# Altium PCB MU_MP_39_V1.PcbDoc (part 10 of 15)
Units mm, origin at the board's own origin, x right, y up, seen from the top; angles counter-clockwise.
Board outline 133 x 94 mm, 8 copper layers (Top Layer, GND_1, POWER_1, POWER_2, GND_2, Inner_Layer, GND_3, Bottom Layer), stack 1.468 mm thick; 934 components, 729 nets, 4006 pads, 2645 vias.
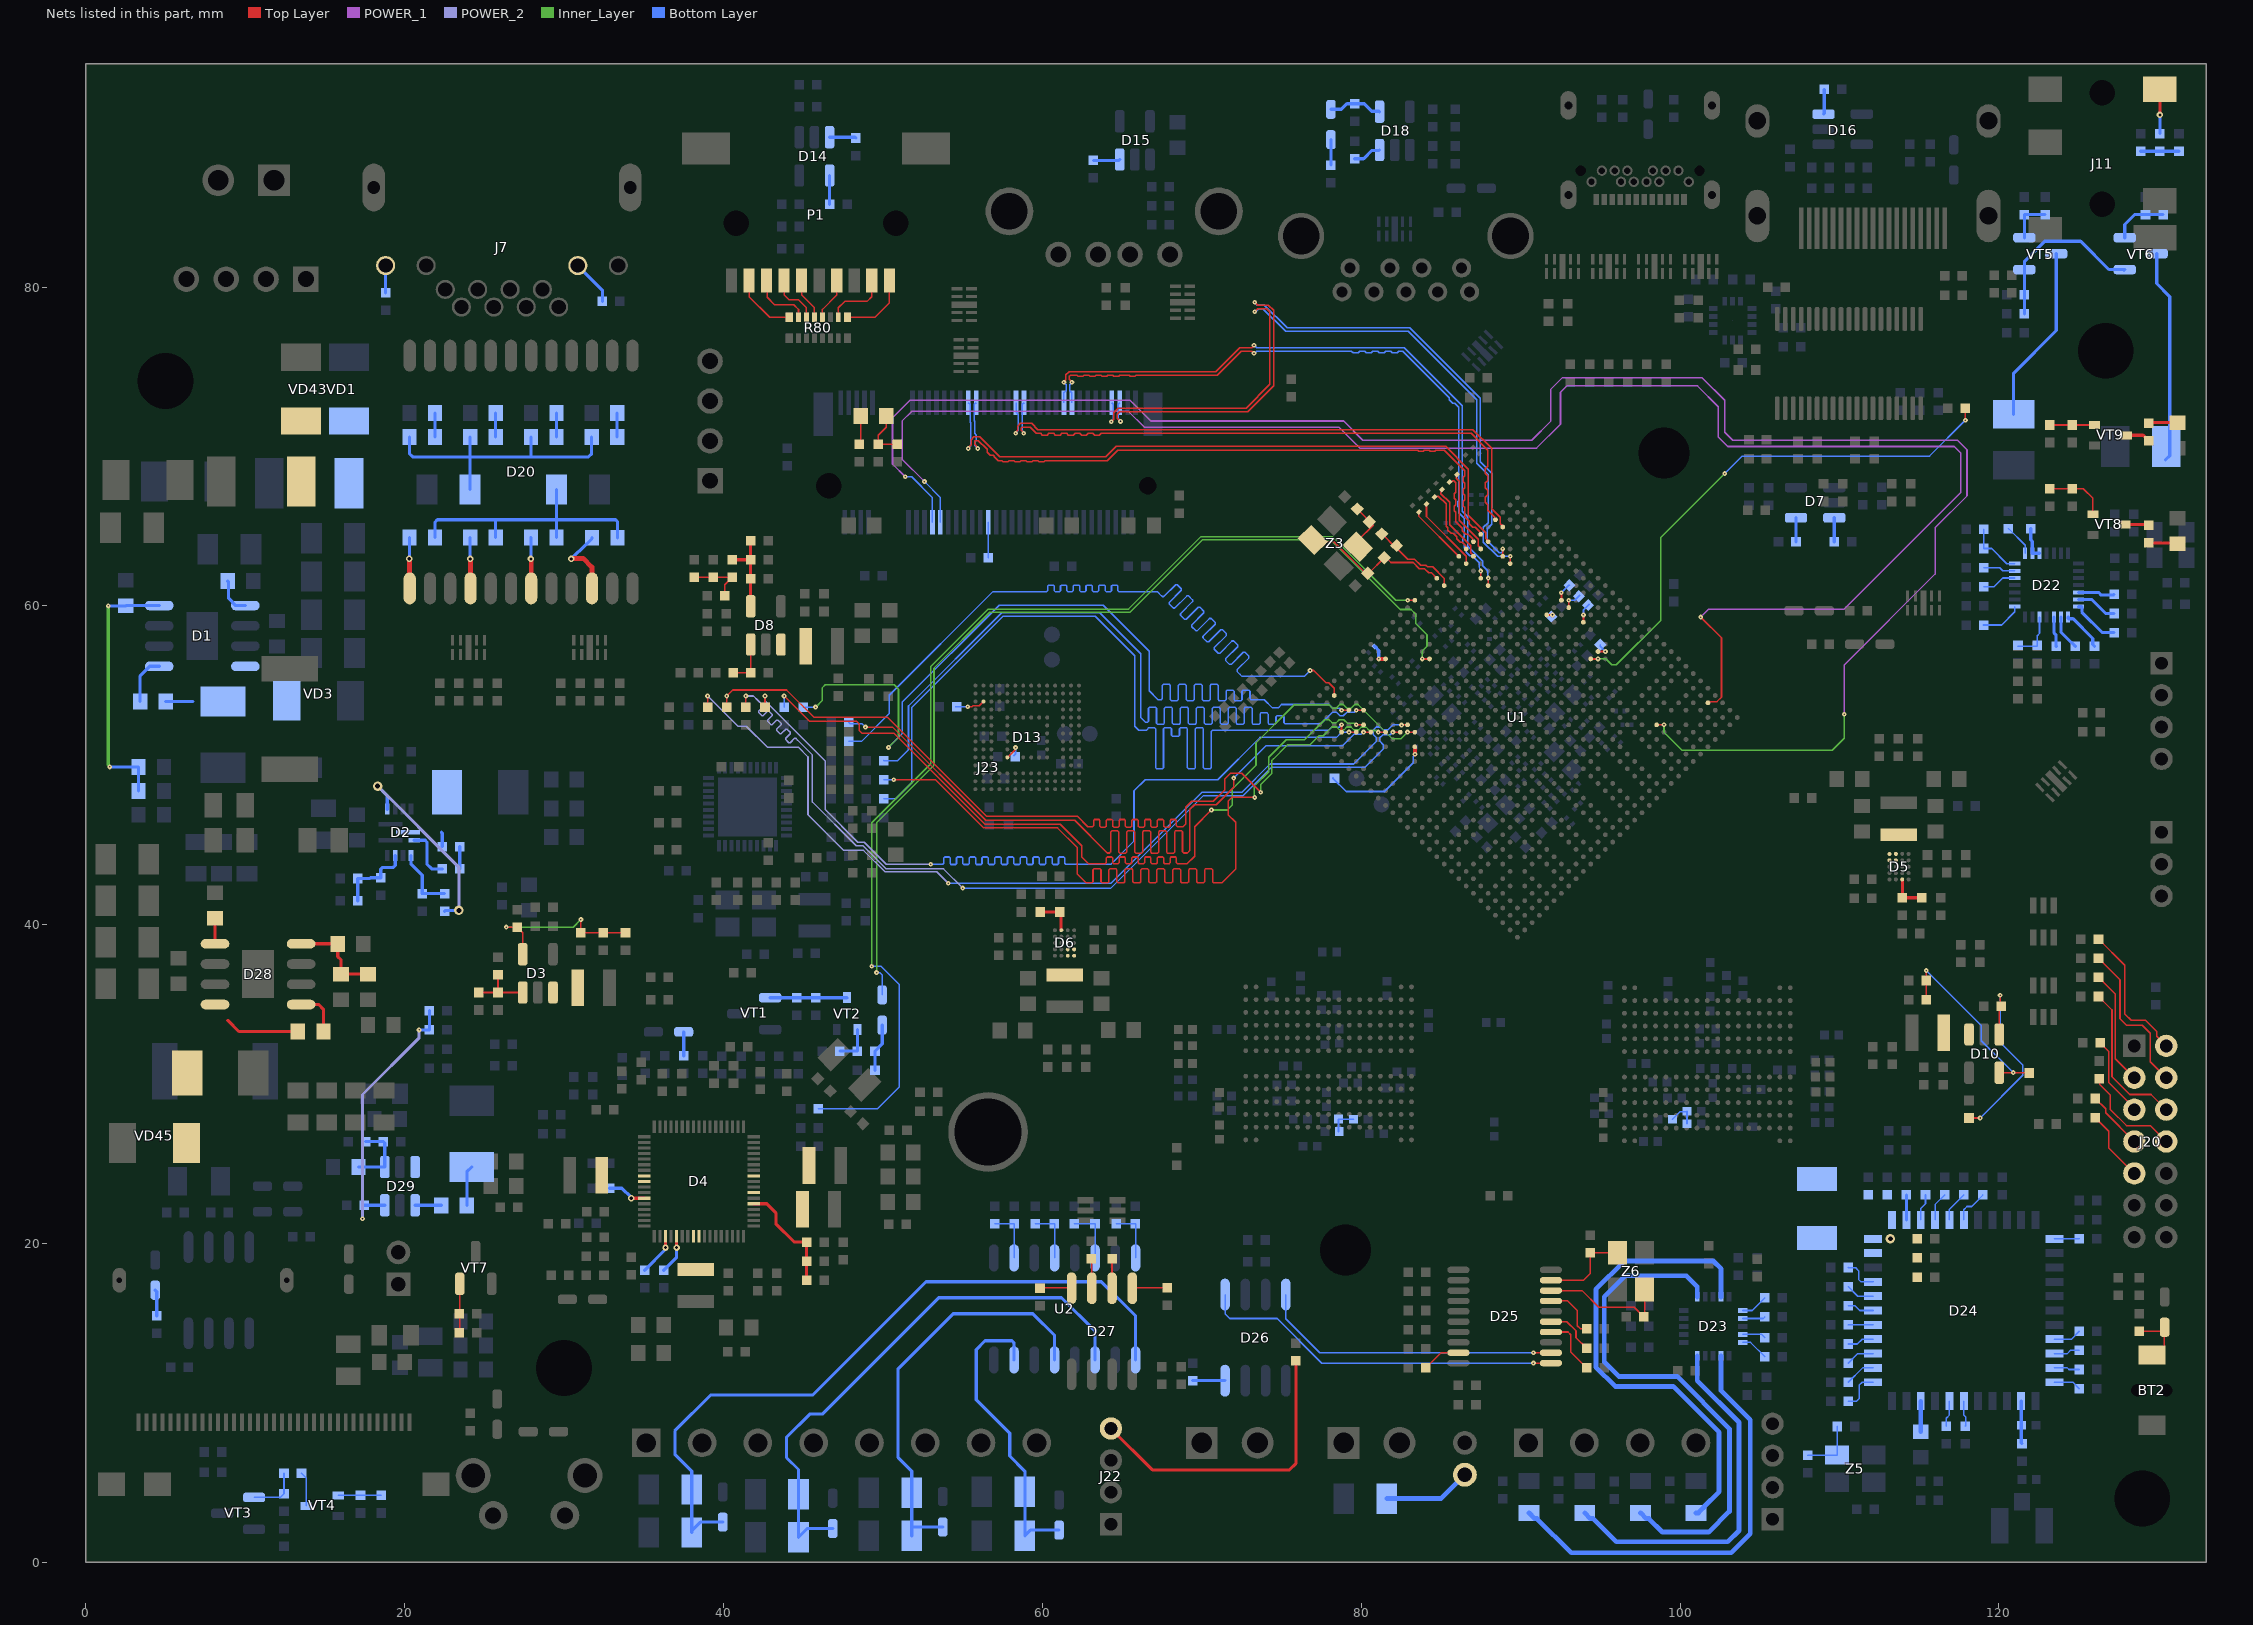
[diagram p16: the nets of this part, all layers, seen from the top]

## Via types
v1: diameter 0.3, hole 0.1, Top Layer to Bottom Layer, tented both sides, 1670 vias
v2: diameter 0.4, hole 0.2, Top Layer to Bottom Layer, tented both sides, 843 vias
v3: diameter 0.6, hole 0.3, Top Layer to Bottom Layer, tented both sides, 132 vias

## Nets (pads, with @x,y where several pads share a name; then routed paths per layer and width w, separated by ;. In a path a pad name is that pad's centre, name@x,y a point inside that pad or via, vN(x,y) a via of type N, cw(c..) or ccw(c..) an arc to the next point about the centre after c; other vN are vias at no path point) (continued)
MAC_RXD0: R126.2 U1.E26 | length 55.1
  Top Layer w0.1: v1(50.675,49.1) 53.3,49.1 56.325,46.075 60.95,46.075 62.2,44.825 62.2,43.175 62.75,42.625 63.05,42.625 63.1,42.625 63.175,42.7 63.175,43.431 63.25,43.506 63.6,43.506 63.675,43.431 63.675,42.697 63.75,42.622 64.1,42.622 64.175,42.697 64.175,43.431 64.25,43.506 64.6,43.506 64.675,43.431 64.675,42.697 64.75,42.622 65.1,42.622 65.175,42.697 65.175,43.431 65.25,43.506 65.6,43.506 65.675,43.431 65.675,42.697 65.75,42.622 66.1,42.622 66.175,42.697 66.175,43.431 66.25,43.506 66.6,43.506 66.675,43.431 66.675,42.697 66.75,42.622 67.1,42.622 67.175,42.697 67.175,43.431 67.25,43.506 67.6,43.506 67.675,43.431 67.675,42.697 67.75,42.622 68.1,42.622 68.175,42.697 68.175,43.431 68.25,43.506 68.6,43.506 68.675,43.431 68.675,42.697 68.75,42.622 69.1,42.622 69.175,42.697 69.175,43.431 69.25,43.506 69.6,43.506 69.675,43.431 69.675,42.697 69.75,42.622 70.1,42.622 70.175,42.697 70.175,43.431 70.25,43.506 70.6,43.506 70.675,43.431 70.675,42.7 70.75,42.625 71.15,42.625 71.25,42.625 72.125,43.5 72.125,46.425 71.65,46.9 71.65,47.75 71.9,48 73.303,48 v1(73.315,47.988)
  Top Layer w0.11: v1(79.69,52.543) 79.693,52.54 U1.E26@80.148,52.54
  Inner_Layer w0.1: v1(73.315,47.988) 73.3,48.003 73.3,48.7 74.2,49.6 74.2,50.5 75.3,51.6 76.446,51.6 77.709,52.863 77.986,52.863 78.169,52.68 78.446,52.68 78.628,52.863 78.905,52.863 79.136,52.632 79.601,52.632 v1(79.69,52.543)
  Bottom Layer w0.1: R126.2@50.05,49.1 v1(50.675,49.1)
MAC_RXD1: R127.2 U1.F27 | length 57
  Top Layer w0.1: v1(79.694,53.461) 79.695,53.46 U1.F27@80.148,53.46
  Bottom Layer w0.1: R127.2@50.05,50.3 50.075,50.275 50.9,50.275 51.6,50.975 51.6,53.725 57.45,59.575 63.6,59.575 66.175,57 66.175,53 66.425,52.75 66.475,52.7 66.581,52.7 66.656,52.775 66.656,53.565 66.731,53.64 67.081,53.64 67.156,53.565 67.156,52.654 67.231,52.579 67.581,52.579 67.656,52.654 67.656,53.565 67.731,53.64 68.081,53.64 68.156,53.565 68.156,52.654 68.231,52.579 68.581,52.579 68.656,52.654 68.656,53.565 68.731,53.64 69.081,53.64 69.156,53.565 69.156,52.654 69.231,52.579 69.581,52.579 69.656,52.654 69.656,53.565 69.731,53.64 70.081,53.64 70.156,53.565 70.156,52.654 70.231,52.579 70.581,52.579 70.656,52.654 70.656,53.565 70.731,53.64 71.081,53.64 71.156,53.565 71.156,52.654 71.231,52.579 71.581,52.579 71.656,52.654 71.656,53.565 71.731,53.64 72.081,53.64 72.156,53.565 72.156,52.654 72.231,52.579 72.581,52.579 72.656,52.654 72.656,53.565 72.731,53.64 73.081,53.64 73.156,53.565 73.156,52.654 73.231,52.579 73.581,52.579 73.656,52.654 73.656,53.214 73.731,53.289 74.081,53.289 74.156,53.214 74.156,52.654 74.231,52.579 74.581,52.579 74.656,52.654 74.656,53.045 74.731,53.12 75.081,53.12 75.156,53.045 75.156,52.675 75.231,52.6 75.414,52.6 77.462,52.6 78.192,53.33 78.446,53.33 78.675,53.102 78.878,53.102 79.107,53.33 79.563,53.33 v1(79.694,53.461)
MAC_RXD2: R122.2 U1.E30 | length 58.2
  Top Layer w0.1: v1(76.795,55.946) 77.026,55.946 77.789,55.183 77.962,55.183 78.309,54.836 U1.E30@78.31,54.379
  Bottom Layer w0.1: R122.2@47.85,51.5 48.65,51.5 50.4,53.25 50.4,54.4 56.9,60.9 60.225,60.9 60.275,60.9 60.335,60.96 60.335,61.248 60.395,61.308 60.675,61.308 60.735,61.248 60.735,60.96 60.795,60.9 61.075,60.9 61.135,60.96 61.135,61.248 61.195,61.308 61.475,61.308 61.535,61.248 61.535,60.96 61.595,60.9 61.875,60.9 61.935,60.96 61.935,61.248 61.995,61.308 62.275,61.308 62.335,61.248 62.335,60.96 62.395,60.9 62.675,60.9 62.735,60.96 62.735,61.248 62.795,61.308 63.075,61.308 63.135,61.248 63.135,60.96 63.195,60.9 63.475,60.9 63.535,60.96 63.535,61.248 63.595,61.308 63.875,61.308 63.935,61.248 63.935,60.96 63.995,60.9 64.275,60.9 64.335,60.96 64.335,61.248 64.395,61.308 64.675,61.308 64.735,61.248 64.735,60.96 64.795,60.9 64.95,60.9 67.2,60.9 67.476,60.624 67.512,60.588 67.618,60.588 68.361,61.332 68.467,61.332 68.715,61.085 68.715,60.979 67.957,60.221 67.957,60.114 68.204,59.867 68.31,59.867 69.068,60.625 69.174,60.625 69.422,60.378 69.422,60.271 68.664,59.513 68.664,59.407 68.911,59.16 69.017,59.16 69.775,59.918 69.882,59.918 70.129,59.67 70.129,59.564 69.371,58.806 69.371,58.7 69.619,58.453 69.725,58.453 70.483,59.211 70.589,59.211 70.836,58.963 70.836,58.857 70.078,58.099 70.078,57.993 70.326,57.746 70.432,57.746 71.19,58.504 71.296,58.504 71.543,58.256 71.543,58.15 70.785,57.392 70.785,57.286 71.033,57.039 71.139,57.039 71.897,57.797 72.003,57.797 72.25,57.549 72.25,57.443 71.492,56.685 71.492,56.579 71.74,56.331 71.846,56.331 72.604,57.089 72.71,57.089 72.957,56.842 72.957,56.736 72.214,55.992 72.214,55.886 72.401,55.699 72.525,55.575 76.424,55.575 v1(76.795,55.946)
MAC_RXD3: R123.2 U1.E25 | length 54.3
  Top Layer w0.1: v1(48.9,52.4) 50.6,52.4 56.45,46.55 62.025,46.55 64.075,44.5 64.167,44.5 64.217,44.5 64.292,44.575 64.292,45.818 64.367,45.893 64.717,45.893 64.792,45.818 64.792,44.557 64.867,44.482 65.217,44.482 65.292,44.557 65.292,45.818 65.367,45.893 65.717,45.893 65.792,45.818 65.792,44.557 65.867,44.482 66.217,44.482 66.292,44.557 66.292,45.818 66.367,45.893 66.717,45.893 66.792,45.818 66.792,44.557 66.867,44.482 67.217,44.482 67.292,44.557 67.292,45.818 67.367,45.893 67.717,45.893 67.792,45.818 67.792,44.557 67.867,44.482 68.217,44.482 68.292,44.557 68.292,45.818 68.367,45.893 68.717,45.893 68.792,45.818 68.792,44.575 68.867,44.5 69.015,44.5 69.1,44.5 69.25,44.65 69.25,47.225 69.55,47.525 70.9,47.525 72,48.625 v1(72,49.2)
  Top Layer w0.11: v1(80.151,52.082) 80.153,52.081 U1.E25@80.608,52.081
  Bottom Layer w0.1: R123.2@47.85,52.7 47.941,52.609 48.691,52.609 v1(48.9,52.4) ; v1(72,49.2) 74.037,51.237 78.84,51.237 79.554,51.95 79.992,51.95 80.124,52.082 v1(80.151,52.082)
MAC_RXDV: R129.2 U1.C27 | length 58.1
  Top Layer w0.11: U1.C27@78.769,52.081 78.769,52.538 v1(78.772,52.542)
  Bottom Layer w0.1: R129.2@50.05,47.9 50.8,47.9 51.8,48.9 51.8,53.625 57.525,59.35 63.325,59.35 65.8,56.875 65.8,52.45 66.05,52.2 66.475,52.2 66.525,52.2 66.6,52.275 66.6,52.283 66.675,52.358 67.025,52.358 67.1,52.283 67.1,49.856 67.175,49.781 67.525,49.781 67.6,49.856 67.6,52.283 67.675,52.358 68.025,52.358 68.1,52.283 68.1,51.9 68.175,51.825 68.525,51.825 68.6,51.9 68.6,52.283 68.675,52.358 69.025,52.358 69.1,52.283 69.1,49.856 69.175,49.781 69.525,49.781 69.6,49.856 69.6,52.283 69.675,52.358 70.025,52.358 70.1,52.283 70.1,49.856 70.175,49.781 70.525,49.781 70.6,49.856 70.6,52.125 70.675,52.2 70.866,52.2 77.943,52.2 78.13,52.387 78.618,52.387 v1(78.772,52.542)
MAC_TXCLK: R141.2 U1.E28 | length 58.8
  Top Layer w0.1: v1@78.774,53.46 U1.E28@79.229,53.46
  Top Layer w0.11: v1(78.772,53.461) v1@78.774,53.46
  Inner_Layer w0.1: v1(45.775,53.65) 46.2,54.075 46.2,54.875 46.375,55.05 50.7,55.05 50.975,54.775 50.975,51.75 v1(50.35,51.125)
  Bottom Layer w0.1: R141.2@45,53.65 v1(45.775,53.65) ; v1(50.35,51.125) 51.2,51.975 51.2,53.95 57.287,60.037 63.813,60.037 66.7,57.15 66.7,54.675 67.255,54.12 67.4,54.12 67.45,54.12 67.525,54.195 67.525,55.002 67.6,55.077 67.95,55.077 68.025,55.002 68.025,54.13 68.1,54.055 68.45,54.055 68.525,54.13 68.525,55.002 68.6,55.077 68.95,55.077 69.025,55.002 69.025,54.13 69.1,54.055 69.45,54.055 69.525,54.13 69.525,55.002 69.6,55.077 69.95,55.077 70.025,55.002 70.025,54.13 70.1,54.055 70.45,54.055 70.525,54.13 70.525,55.002 70.6,55.077 70.95,55.077 71.025,55.002 71.025,54.13 71.1,54.055 71.45,54.055 71.525,54.13 71.525,54.64 71.6,54.715 71.95,54.715 72.025,54.64 72.025,54.13 72.1,54.055 72.45,54.055 72.525,54.13 72.525,54.64 72.6,54.715 72.95,54.715 73.025,54.64 73.025,54.195 73.1,54.12 73.75,54.12 73.92,54.12 74.441,53.599 74.789,53.599 75.003,53.813 77.987,53.813 78.216,53.584 78.649,53.584 v1(78.772,53.461)
MAC_TXD0: R124.2 U1.D26 | length 57.3
  Top Layer w0.1: R124.2@42.6,53.65 v1(42.6,54.35)
  Top Layer w0.11: v1(79.232,52.082) 79.233,52.081 U1.D26@79.688,52.081
  POWER_2 w0.1: v1(42.6,54.35) 42.612,54.338 42.612,54.038 46.375,50.275 46.375,47.225 48.425,45.175 48.825,45.175 50.2,43.8 v1(53,43.8)
  Bottom Layer w0.1: v1(53,43.8) 53.7,43.8 53.75,43.8 53.81,43.86 53.81,44.188 53.87,44.248 54.15,44.248 54.21,44.188 54.21,43.841 54.27,43.781 54.55,43.781 54.61,43.841 54.61,44.188 54.67,44.248 54.95,44.248 55.01,44.188 55.01,43.841 55.07,43.781 55.35,43.781 55.41,43.841 55.41,44.188 55.47,44.248 55.75,44.248 55.81,44.188 55.81,43.841 55.87,43.781 56.15,43.781 56.21,43.841 56.21,44.188 56.27,44.248 56.55,44.248 56.61,44.188 56.61,43.841 56.67,43.781 56.95,43.781 57.01,43.841 57.01,44.188 57.07,44.248 57.35,44.248 57.41,44.188 57.41,43.841 57.47,43.781 57.75,43.781 57.81,43.841 57.81,44.188 57.87,44.248 58.15,44.248 58.21,44.188 58.21,43.841 58.27,43.781 58.55,43.781 58.61,43.841 58.61,44.188 58.67,44.248 58.95,44.248 59.01,44.188 59.01,43.841 59.07,43.781 59.35,43.781 59.41,43.841 59.41,44.188 59.47,44.248 59.75,44.248 59.81,44.188 59.81,43.841 59.87,43.781 60.15,43.781 60.21,43.841 60.21,44.188 60.27,44.248 60.55,44.248 60.61,44.188 60.61,43.841 60.67,43.781 60.95,43.781 61.01,43.841 61.01,44.188 61.07,44.248 61.35,44.248 61.41,44.188 61.41,43.86 61.47,43.8 61.704,43.8 64.3,43.8 65.75,45.25 65.75,48.4 66.45,49.1 71,49.1 73.65,51.75 78.446,51.75 78.778,52.082 v1(79.232,52.082)
MAC_TXD1: R125.2 U1.G23 | length 56.8
  Top Layer w0.1: R125.2@41.4,53.65 v1(41.4,54.35)
  Top Layer w0.11: v1(81.989,52.082) 81.99,52.081 U1.G23@82.446,52.081
  POWER_2 w0.1: v1(41.4,54.35) 41.875,54.35 42.15,54.075 42.468,53.757 42.468,53.672 42.2,53.403 42.2,53.318 42.397,53.12 42.482,53.12 42.762,53.4 42.846,53.4 43.044,53.202 43.044,53.117 42.765,52.838 42.765,52.753 42.963,52.555 43.048,52.555 43.327,52.834 43.412,52.834 43.61,52.636 43.61,52.551 43.331,52.272 43.331,52.187 43.529,51.989 43.614,51.989 43.893,52.268 43.978,52.268 44.176,52.07 44.176,51.985 43.897,51.706 43.897,51.621 44.095,51.423 44.179,51.423 44.448,51.692 44.533,51.692 44.64,51.585 45.575,50.65 45.575,47.7 48.325,44.95 48.75,44.95 50.2,43.5 53.8,43.5 v1(55,42.3)
  Bottom Layer w0.1: v1(55,42.3) 64.3,42.3 70.1,48.1 72.6,48.1 74.372,49.872 80.233,49.872 81.391,51.03 81.391,51.296 81.164,51.523 81.164,51.722 81.367,51.925 81.83,51.925 81.987,52.082 v1(81.989,52.082)
MAC_TXD2: R120.2 U1.F24 | length 57.3
  Top Layer w0.1: R120.2@40.2,53.65 v1(40.2,54.35) 40.575,54.725 43.95,54.725 45.65,53.025 50.275,53.025 56.5,46.8 62.2,46.8 62.85,46.15 63.1,46.15 63.15,46.15 63.21,46.21 63.21,46.544 63.27,46.604 63.55,46.604 63.61,46.544 63.61,46.186 63.67,46.126 63.95,46.126 64.01,46.186 64.01,46.544 64.07,46.604 64.35,46.604 64.41,46.544 64.41,46.186 64.47,46.126 64.75,46.126 64.81,46.186 64.81,46.544 64.87,46.604 65.15,46.604 65.21,46.544 65.21,46.186 65.27,46.126 65.55,46.126 65.61,46.186 65.61,46.544 65.67,46.604 65.95,46.604 66.01,46.544 66.01,46.186 66.07,46.126 66.35,46.126 66.41,46.186 66.41,46.544 66.47,46.604 66.75,46.604 66.81,46.544 66.81,46.186 66.87,46.126 67.15,46.126 67.21,46.186 67.21,46.544 67.27,46.604 67.55,46.604 67.61,46.544 67.61,46.186 67.67,46.126 67.95,46.126 68.01,46.186 68.01,46.544 68.07,46.604 68.35,46.604 68.41,46.544 68.41,46.21 68.47,46.15 68.8,46.15 68.825,46.15 69,46.325 69,47.375 69.375,47.75 70.725,47.75 71.45,48.475 71.45,49.15 71.8,49.5 72.514,49.5 v1(73.7,48.314)
  Top Layer w0.11: v1(81.07,52.082) 81.072,52.081 U1.F24@81.527,52.081
  Inner_Layer w0.1: v1(73.7,48.314) 73.7,48.8 74.4,49.5 74.4,50.3 ; 74.5,50.4 74.4,50.3 ; v1(81.07,52.082) 80.965,52.187 80.511,52.187 80.295,52.403 80.018,52.403 79.83,52.215 79.553,52.215 79.365,52.403 79.099,52.403 78.916,52.221 78.639,52.221 78.457,52.403 78.169,52.403 77.617,51.852 77.352,51.852 76.8,51.3 75.4,51.3 74.4,50.3
MAC_TXD3: R121.2 U1.H23 | length 56.6
  Top Layer w0.1: R121.2@39,53.65 v1(39,54.35)
  Top Layer w0.11: v1(82.533,52.522) 82.549,52.538 82.903,52.538 U1.H23@82.906,52.54
  POWER_2 w0.1: v1(39,54.35) 40.9,52.45 41.425,52.45 42.75,51.125 44.7,51.125 45.3,50.525 45.3,46.9 47.54,44.66 48.785,44.66 50.125,43.32 53.38,43.32 v1(54.1,42.6)
  Bottom Layer w0.1: v1(54.1,42.6) 64.3,42.6 70,48.3 72.502,48.3 74.284,50.082 79.524,50.082 79.902,50.46 80.939,51.497 80.939,51.748 80.749,51.938 80.749,52.215 80.937,52.403 81.203,52.403 81.391,52.215 81.668,52.215 81.995,52.542 82.514,52.542 v1(82.533,52.522)
MAC_TXEN: R133.2 U1.H22 | length 57.6
  Top Layer w0.1: v1(43.8,54.35) 45.375,52.775 48.325,52.775 48.5,52.6 48.5,52.2 48.7,52 50.7,52 56.4,46.3 61.125,46.3 62.475,44.95 62.475,44.25 62.9,43.825 63.9,43.825 63.95,43.825 64.01,43.885 64.01,44.187 64.07,44.247 64.35,44.247 64.41,44.187 64.41,43.881 64.47,43.821 64.75,43.821 64.81,43.881 64.81,44.187 64.87,44.247 65.15,44.247 65.21,44.187 65.21,43.881 65.27,43.821 65.55,43.821 65.61,43.881 65.61,44.187 65.67,44.247 65.95,44.247 66.01,44.187 66.01,43.881 66.07,43.821 66.35,43.821 66.41,43.881 66.41,44.187 66.47,44.247 66.75,44.247 66.81,44.187 66.81,43.881 66.87,43.821 67.15,43.821 67.21,43.881 67.21,44.187 67.27,44.247 67.55,44.247 67.61,44.187 67.61,43.881 67.67,43.821 67.95,43.821 68.01,43.881 68.01,44.187 68.07,44.247 68.35,44.247 68.41,44.187 68.41,43.885 68.47,43.825 68.853,43.825 69.075,43.825 69.55,44.3 69.55,46.15 v1(70.6,47.2)
  Top Layer w0.11: v1(82.908,52.082) 82.91,52.081 U1.H22@83.365,52.081
  Inner_Layer w0.1: v1(70.6,47.2) 71.6,47.2 71.9,47.5 71.9,48.5 73.4,50 73.4,51.4 75.8,53.8 77.976,53.8 78.192,53.584 78.431,53.584 78.659,53.813 78.878,53.813 79.107,53.584 79.361,53.584 79.589,53.813 79.804,53.813 81.938,51.679 82.505,51.679 v1(82.908,52.082)
  Bottom Layer w0.1: R133.2@43.8,53.65 v1(43.8,54.35)
MIC_IN1P: J11.2 R197.2 | length 2.8
  Top Layer w0.2: v2(130.1,90.8) J11.2@130.1,92.4
  Bottom Layer w0.2: R197.2@130.1,89.625 v2(130.1,90.8)
NetBT2_1: BT2.1 R225.2 VD32.2 | length 4.1
  Top Layer w0.1: R225.2@128.8,14.5 130.21,14.5 130.4,14.69 VD32.2@130.4,14.5 ; BT2.1@129.6,13 129.817,13 130.367,13.55 130.367,14.717 VD32.2@130.4,14.75
NetC1_1: C1.1 D1.8 L1.2 VD3.2 | length 1.7
  Bottom Layer w0.2: C1.1@5,54 6.7,54
NetC1_2: C1.2 D1.1 | length 3.1
  Bottom Layer w0.2: C1.2@3.4,54 3.4,55.61 4,56.21 D1.1@4.6,56.21
NetC13_1: C13.1 D2.7 L2.2 | length 0.9
  Bottom Layer w0.2: 22.3,45.8 22.35,45.75 C13.1@22.35,44.9
NetC13_2: C13.2 R6.2 | length 1.4
  Bottom Layer w0.2: R6.2@23.45,43.5 C13.2@23.45,44.9
NetC25_1: C25.1 D2.11 R7.1 R9.2 | length 5
  Bottom Layer w0.2: C25.1@17.05,41.5 R7.1@17.05,42.9 17.8,42.9 17.85,42.95 R9.2@18.5,42.95 18.5,43.483 18.617,43.6 19.283,43.6 19.4,43.717 D2.11@19.4,44.35
NetC26_1: C26.1 D2.9 R8.1 | length 4.1
  Bottom Layer w0.2: D2.9@20.4,44.35 20.4,43.8 21.1,43.1 C26.1@21.1,41.95 R8.1@22.5,41.95
NetC28_2: C28.2 D3.5 R11.1 R12.1 R14.2 | length 11
  Top Layer w0.1: v1(26.375,39.85) R14.2@27.05,39.85 27.4,39.5 D3.5@27.4,38.15 ; v1(31.05,40.325) R11.1@31.05,39.5 R12.1@32.45,39.5 C28.2@33.85,39.5
  Inner_Layer w0.1: v1(26.375,39.85) 30.575,39.85 v1(31.05,40.325)
NetC33_1: C33.1 D3.1 R10.1 R13.2 | length 3.9
  Top Layer w0.1: C33.1@24.65,35.75 R13.2@25.85,35.75 ; R10.1@25.85,36.85 R13.2@25.85,35.75 ; D3.1@27.4,35.75 R13.2@25.85,35.75
NetC61_2: C61.2 D4.56 R19.2 R20.2 | length 7.1
  Top Layer w0.2: D4.56@41.892,22.495 42.707,22.495 43.282,21.92 43.282,21.245 44.432,20.095 C61.2@45.207,20.095 45.207,17.718 R20.2@45.225,17.7
NetC72_1: C72.1 D4.37 | length 2.7
  Top Layer w0.2: v2(36.357,19.745) D4.37@36.357,20.46
  Bottom Layer w0.2: C72.1@35.05,18.325 36.318,19.593 36.318,19.707 v2(36.357,19.745)
NetC82_2: C82.2 R31.2 VT1.1 VT2.3 | length 4.8
  Bottom Layer w0.2: VT1.1@42.925,35.425 C82.2@44.6,35.425 R31.2@45.775,35.425 VT2.3@47.75,35.425
NetC86_2: C86.2 R32.2 VD8.2 | length 3
  Bottom Layer w0.2: C86.2@49.5,30.875 R32.2@49.5,32.075 49.95,32.525 VD8.2@49.95,33.7
NetC91_1: C91.1 D5.A2 R34.1 | length 2.4
  Top Layer w0.2: D5.A2@113.944,42.836 113.953,42.827 R34.1@113.953,41.672 ; R34.1@113.977,41.695 C91.1@115.255,41.695
NetC102_1: C102.1 D7.4 | length 1.5
  Bottom Layer w0.2: C102.1@107.275,64.025 D7.4@107.275,65.525
NetC106_1: C106.1 D6.A2 R37.1 | length 2.6
  Top Layer w0.2: C106.1@59.875,40.8 61.153,40.8 R37.1@61.176,40.824 ; R37.1@61.1,40.9 R37.1@61.176,40.824 ; D6.A2@61.186,39.659 61.176,39.669 R37.1@61.176,40.824
NetC110_1: C110.1 D8.1 R42.1 | length 2.9
  Top Layer w0.1: R42.1@40.6,55.8 C110.1@41.7,55.8 D8.1@41.7,57.575
NetC113_2: C113.2 D8.5 R43.1 R45.2 R47.2 | length 5.3
  Top Layer w0.2: R45.2@40.55,62.9 C113.2@41.7,62.9 ; D8.5@41.7,59.975 R47.2@41.7,61.7 C113.2@41.7,62.9 ; R43.1@41.7,64.1 C113.2@41.7,62.9
NetC114_1: C114.1 R44.2 R45.1 R46.2 | length 3.7
  Top Layer w0.1: R46.2@38.15,61.8 C114.1@39.35,61.8 R45.1@40.55,61.8 40.075,61.325 R44.2@40.075,60.65
NetC119_2: C119.2 D10.5 R52.1 R54.2 | length 12.4
  Top Layer w0.1: R52.1@115.45,35.3 C119.2@115.45,36.5 v1(115.45,37.125) ; D10.5@120.026,30.717 121.883,30.717 R54.2@121.9,30.7
  Bottom Layer w0.1: v1(115.45,37.125) 118.9,33.675 118.9,32.725 v1(120.9,30.725)
NetC124_1: C124.1 D10.1 R53.2 | length 12.6
  Top Layer w0.1: R53.2@118.125,27.875 v1(118.825,27.875) ; D10.1@120.026,33.117 120.026,34.776 C124.1@120.15,34.9 120.075,34.975 v1(120.075,35.575)
  Bottom Layer w0.1: v1(118.825,27.875) 121.5,30.55 121.5,31.2 120.075,32.625 v1(120.075,35.575)
NetC256_2: C256.2 R71.1 R73.1 | length 1.9
  Bottom Layer w0.11: C256.2@99.524,27.8 99.744,28.02 99.999,28.275 100.413,28.275 R71.1@100.436,28.298 100.436,28.15 100.436,27.515 R73.1@100.431,27.51
NetC257_2: C257.2 R72.1 R74.1 | length 1.7
  Bottom Layer w0.11: R74.1@78.58,27.025 78.58,27.8 C257.2@79.522,27.8
NetC260_1: C260.1 D13.C2 | length 1.9
  Top Layer w0.08: v1(55.325,53.675) 55.575,53.675 55.65,53.75 56.05,53.75 D13.C2@56.3,54
  Bottom Layer w0.08: C260.1@54.525,53.675 v1(55.325,53.675)
NetC269_1: C269.1 D14.4 | length 1.8
  Bottom Layer w0.2: C269.1@46.65,85.2 D14.4@46.65,87
NetC314_1: C314.1 R105.2 U1.Y31 Z3.1 | length 9.7
  Top Layer w0.1: Z3.1@76.961,64.137 77.067,64.031 78.28,64.031 80.343,61.968 80.393,61.968 81.507,63.082 81.864,62.725 83.256,62.725 83.647,62.334 83.969,62.334 84.231,62.072 84.405,62.072 U1.Y31@84.744,61.733
NetC315_1: C315.1 R108.2 Z3.3 | length 3.2
  Top Layer w0.11: Z3.3@79.789,63.713 79.789,64.101 80.757,65.068 79.8,66.025 C315.1@79.8,66.1
NetC342_1: C342.1 C343.1 C346.1 C348.1 C349.2 | length 18.3
  Bottom Layer w0.2: C342.1@20.3,70.6 20.3,69.55 20.5,69.35 24.1,69.35 ; C349.2@24.1,67.3 24.1,69.35 ; C343.1@24.1,70.6 24.1,69.35 ; C346.1@27.925,70.6 27.925,69.375 27.95,69.35 ; C348.1@31.725,70.6 31.725,69.55 31.525,69.35 27.95,69.35 ; 24.1,69.35 27.95,69.35
NetC342_2: C342.2 R139.2 | length 1.5
  Bottom Layer w0.2: C342.2@21.9,70.6 R139.2@21.9,72.1
NetC343_2: C343.2 R144.2 | length 1.5
  Bottom Layer w0.2: C343.2@25.7,70.6 R144.2@25.7,72.1
NetC346_2: C346.2 R148.2 | length 1.5
  Bottom Layer w0.2: C346.2@29.525,70.6 R148.2@29.525,72.1
NetC347_1: C347.1 R138.2 R143.2 R147.2 R152.2 | length 17.7
  Bottom Layer w0.2: R138.2@21.9,64.3 21.9,65.25 22.05,65.4 25.725,65.4 ; R143.2@25.7,64.3 25.7,65.375 25.725,65.4 ; R147.2@29.525,64.3 29.525,65.35 29.575,65.4 ; C347.1@29.525,67.3 29.525,65.45 29.575,65.4 ; R152.2@33.35,64.275 33.35,65.275 33.225,65.4 29.575,65.4 ; 25.725,65.4 29.575,65.4
NetC348_2: C348.2 R153.2 | length 1.5
  Bottom Layer w0.2: C348.2@33.325,70.6 R153.2@33.325,72.1
NetC376_2: C376.2 VT5.3 | length 11.2
  Bottom Layer w0.2: C376.2@120.925,72.025 120.925,74.6 123.6,77.275 VT5.3@123.6,82.1
NetC377_2: C377.2 VT6.3 | length 13.4
  Bottom Layer w0.2: VT6.3@129.9,82.1 129.9,80.225 130.725,79.4 130.725,69.425 C377.2@130.45,69.15
NetC378_2: C378.2 R198.1 VT5.1 VT6.1 | length 10.9
  Bottom Layer w0.2: R198.1@121.6,78.325 VT5.1@121.6,81.1 121.6,81.6 122.875,82.875 125.125,82.875 126.9,81.1 VT6.1@127.9,81.1 VT6.1@127.841,81.041
NetC380_1: C380.1 R197.1 R200.1 | length 2.4
  Bottom Layer w0.2: C380.1@128.9,88.525 R197.1@130.1,88.525 R200.1@131.3,88.525
NetC383_1: C383.1 D23.16 | length 1.7
  Bottom Layer w0.1: D23.16@103.925,15.8 104.525,15.8 C383.1@105.325,16.6
NetC384_1: C384.1 D23.17 | length 1.4
  Bottom Layer w0.1: D23.17@103.925,15.3 105.225,15.3 C384.1@105.325,15.4
NetC385_1: C385.1 D22.21 | length 3.1
  Bottom Layer w0.2: D22.21@125,59.95 125.187,59.95 125.212,59.925 125.212,59.613 126.5,58.325 C385.1@127.225,58.325
NetC386_1: C386.1 D23.19 | length 1.5
  Bottom Layer w0.1: D23.19@103.925,14.3 105.125,14.3 C386.1@105.325,14.1